# Altium PCB PCB1.PcbDoc (part 2 of 2)
Units mm, origin at the board's own origin, x right, y up, seen from the top; angles counter-clockwise.
Board outline 100 x 60 mm, 2 copper layers (Top Layer, Bottom Layer); 156 components, 92 nets, 483 pads, 40 vias.
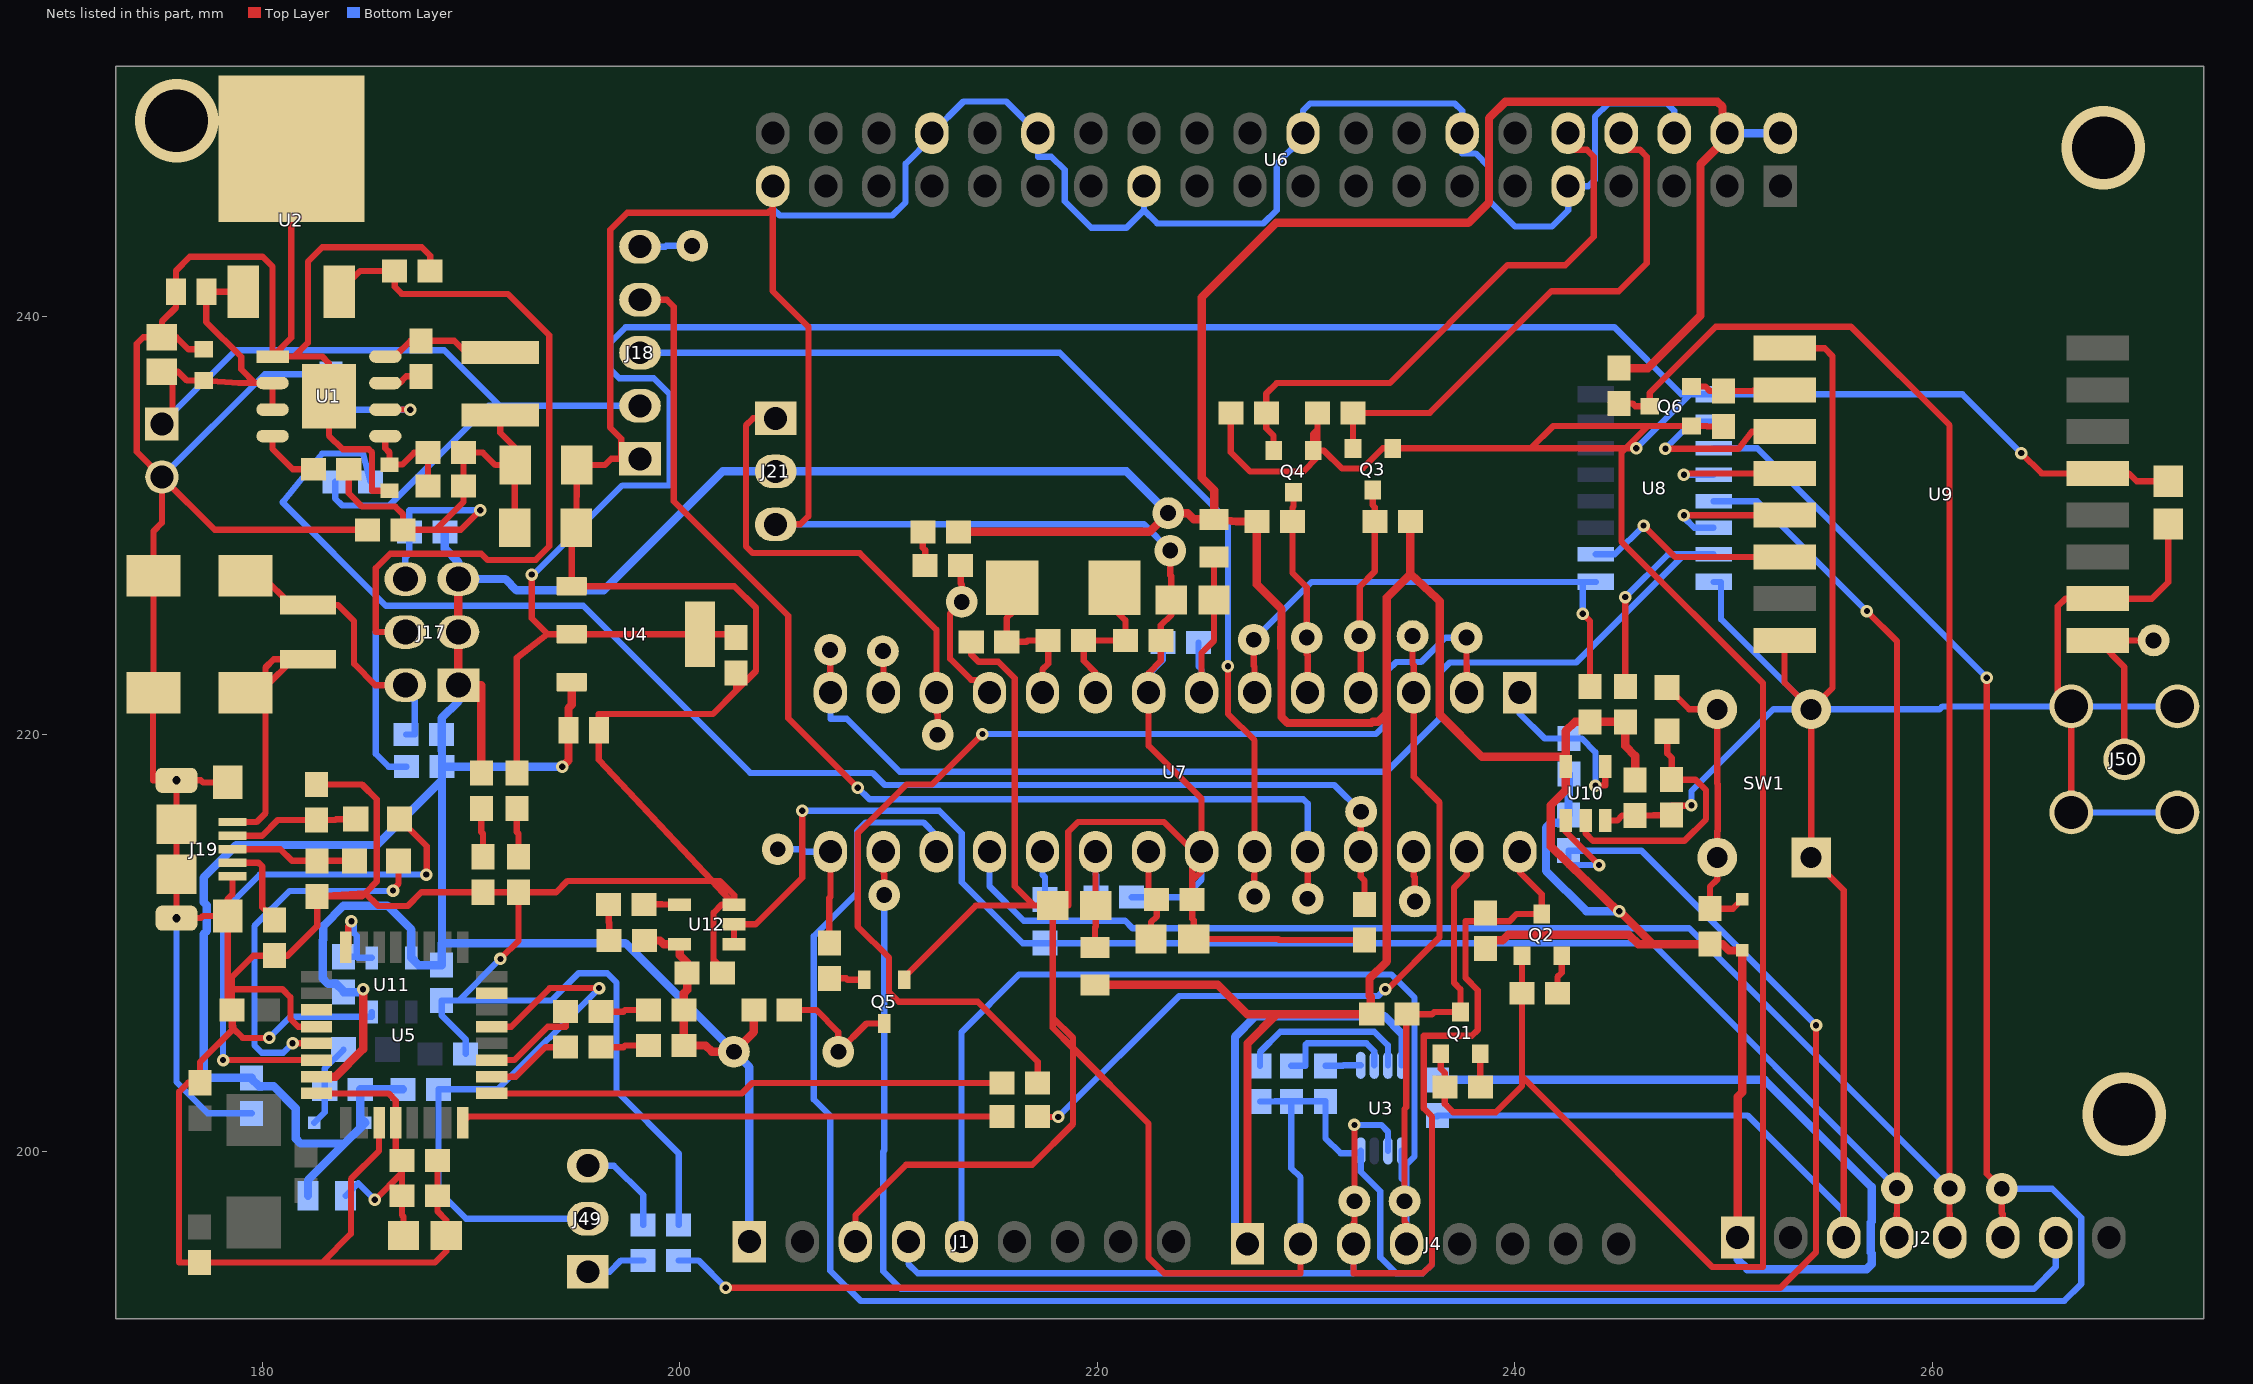
[diagram p2: the nets of this part, all layers, seen from the top]

## Via types
v1: diameter 0.6, hole 0.3, Top Layer to Bottom Layer, 37 vias
v2: diameter 4, hole 3, Top Layer to Bottom Layer, 3 vias

## Nets (pads, with @x,y where several pads share a name; then routed paths per layer and width w, separated by ;. In a path a pad name is that pad's centre, name@x,y a point inside that pad or via, vN(x,y) a via of type N, cw(c..) or ccw(c..) an arc to the next point about the centre after c; other vN are vias at no path point) (continued)
16U2_RESETn: R14.1 U5.24 U11.4 | length 4.5
  Top Layer w0.3: U5.24@184,209.8 184.121,209.921 184.121,210.808 184.278,210.965 v1(184.278,211.046)
  Bottom Layer w0.3: R14.1@183.9,209.35 184.531,209.35 ; v1(184.278,211.046) 184.405,210.919 184.405,210.48 184.531,210.354 184.531,209.35 ; U11.4@185.25,209.3 184.581,209.3 184.531,209.35
16U2_RX: R27.1 U5.8 | length 26
  Top Layer w0.3: U5.8@189.6,201.4 189.9,201.7 R27.1@215.45,201.7
16U2_RX_LED: LED1.1 U5.10 | length 4.1
  Top Layer w0.3: U5.10@191,203.6 192.151,203.6 193.569,205.018 LED1.1@194.538,205.018
16U2_SCLK_R: U5.15
16U2_TX: R25.1 U5.9 | length 24.7
  Top Layer w0.3: U5.9@191,202.8 202.971,202.8 203.471,203.3 R25.1@215.45,203.3
16U2_TX_LED: LED2.1 U5.11 | length 4.9
  Top Layer w0.3: U5.11@191,204.4 192.081,204.4 193.675,205.994 194.538,205.994 LED2.1@194.538,206.718
16U2PROG_328P_RESETn: J49.2 R21.1 U5.13 | length 28.2
  Top Layer w0.3: U5.13@191,206 191.928,206 193.777,207.848 v1(196.139,207.848)
  Bottom Layer w0.3: J49.2@195.6,196.8 189.77,196.8 188.45,198.12 R21.1@188.45,203 191.291,203 v1(196.139,207.848)
328P_16MHZ_XTAL1: C30.2 R37.1 U7.9 Y2.2 | length 7.5
  Top Layer w0.3: U7.9@219.92,222 219.92,222.961 219.35,223.531 R37.1@219.35,224.5 C30.2@221.35,224.5 221.35,225.476 220.827,225.999 Y2.2@220.827,227.024
328P_16MHZ_XTAL2: C29.2 R37.2 U7.10 Y2.1 | length 7.3
  Top Layer w0.3: Y2.1@215.927,227.024 215.927,225.838 215.666,225.577 C29.2@215.666,224.434 216.611,224.434 216.677,224.5 R37.2@217.65,224.5 217.65,223.384 217.38,223.114 U7.10@217.38,222
328P_AUTORESETn: C31.1 R44.1 U10.1 | length 86.9
  Top Layer w0.3: v1(202.209,193.497) 252.73,193.497 254.432,195.199 v1(254.432,206.07) ; U10.1@242.441,215.873 242.441,215.341 v1(244.042,213.741)
  Bottom Layer w0.3: C31.1@199.95,194.8 200.907,194.8 v1(202.209,193.497) ; v1(244.042,213.741) 242.574,213.741 R44.1@242.574,214.429 246.073,214.429 v1(254.432,206.07)
328P_BUF_RESETn: C36.2 R47.2 U10.2 | length 12.6
  Top Layer w0.3: U10.2@243.391,215.873 243.391,215.265 243.747,214.909 248.133,214.909 249.167,215.944 249.167,217.321 248.658,217.829 C36.2@247.516,217.829 247.516,218.872 247.3,219.087 R47.2@247.3,220.15
328P_RESETn: R36.1 U7.1 U10.4 | length 8.4
  Top Layer w0.3: v1(243.865,217.551) 244.341,217.551 U10.4@244.341,218.473
  Bottom Layer w0.3: U7.1@240.24,222 240.24,220.993 241.427,219.806 R36.1@242.592,219.806 243.205,219.806 243.865,219.145 v1(243.865,217.551)
+3V3: C13.1 C32.2 Q1.1 Q2.1 Q3.1 Q4.1 Q6.1 R8.2 R10.2 R16.2 R19.2 R35.2 R42.1 U4.2 U4.4 U8.1 U9.13 | length 226.5
  Top Layer w0.3: R42.1@192.2,218.15 192.2,223.671 193.675,224.8 ; v1(192.913,227.654) 192.913,225.562 193.675,224.8 ; C13.1@202.7,224.65 202.55,224.8 U4.4@200.975,224.8 U4.2@194.825,224.8 193.675,224.8 ; R19.2@226.4,235.4 226.4,233.518 227.33,232.588 229.87,232.588 230.55,233.268 Q4.1@230.55,233.6 ; R16.2@230.55,235.4 230.55,234.591 ; Q1.1@236.45,204.7 236.45,203.984 236.65,203.784 R8.2@236.65,203.1 236.65,202.3 237.046,201.905 239.09,201.905 240.35,203.164 240.35,203.591 ; Q2.1@240.35,209.4 R10.2@240.35,207.6 240.35,203.591 ; v1(245.821,233.7) 245.312,233.7 ; R35.2@250,234.75 249.217,234.75 249.199,234.768 Q6.1@248.465,234.768 246.38,234.768 ; v1(264.262,233.477) 265.238,232.5 U9.13@267.927,232.5 269.418,232.5 269.793,232.125 C32.2@271.3,232.125 ; Q4.1@230.55,233.6 230.55,234.591 ; Q4.1@230.55,233.6 Q4.1@230.35,233.6 230.35,234.391 230.55,234.591 ; Q4.1@230.55,233.6 230.861,233.6 231.72,232.74 232.715,232.74 233.675,233.7 Q3.1@234.15,233.7 240.767,233.7 ; 240.35,203.591 249.453,194.488 251.892,194.488 251.892,222.453 245.11,229.235 245.11,233.498 245.312,233.7 ; 240.767,233.7 241.835,234.768 246.38,234.768 ; 240.767,233.7 245.312,233.7 ; 245.312,233.7 246.38,234.768
  Bottom Layer w0.3: v1(192.913,227.654) 192.983,227.654 197.256,231.927 199.517,231.927 199.517,236.296 198.755,237.058 197.104,237.058 196.672,237.49 196.672,238.76 197.409,239.497 244.78,239.497 247.981,236.295 248.416,236.295 ; v1(245.821,233.7) 248.416,236.295 ; v1(264.262,233.477) 261.443,236.295 U8.1@249.525,236.295 248.416,236.295
+3V3_16U2_UCAP: U5.27
+5V: BUZZER1.1 C11.1 C12.1 C17.2 C33.1 C34.1 C35.2 D1.1 D2.1 FB1.1 FB2.1 FB3.1 J1.1 J2.1 J4.1 J17.1 J17.3 J17.5 J21.2 J54.1 R7.2 R9.2 R11.1 R12.1 R13.1 R14.2 R15.2 R18.2 R21.2 R26.2 R28.1 R30.1 R34.2 R36.2 R38.2 R39.2 R41.1 R43.2 R44.2 R45.2 R46.2 R49.1 U3.8 U4.3 U5.31 U6.2 U6.4 U10.5 U11.5 U12.5 | length 434.5
  Top Layer w0.4: U5.31@182.6,203.6 183.515,203.6 184.836,204.921 v1(184.836,207.797) ; J17.5@189.4,227.44 J17.3@189.4,224.9 J17.1@189.4,222.36 190.5,222.36 R41.1@190.5,218.15 ; v1(194.376,218.455) 194.673,218.752 C12.1@194.673,220.2 194.673,221.259 194.825,221.412 U4.3@194.825,222.5 ; R43.2@198.326,210.125 199.06,210.125 199.235,209.95 U12.5@200,209.95 200,209.426 200.359,209.067 C35.2@200.359,208.561 200.359,207.753 200.2,207.594 R30.1@200.2,206.8 R28.1@200.2,205.1 201.244,205.1 201.544,204.8 BUZZER1.1@202.6,204.8 203.55,205.75 R26.2@203.55,206.8 ; R49.1@213.35,229.7 222.5,229.7 J54.1@223.4,230.6 224.333,230.6 224.633,230.3 FB2.1@225.6,230.3 ; FB3.1@219.9,208 225.781,208 227.181,206.6 228.6,206.6 ; J4.1@227.2,195.6 227.2,205.2 228.6,206.6 ; 233.832,220.98 233.452,220.6 233.193,220.6 233.139,220.546 229.117,220.546 228.829,220.834 228.829,221.278 228.826,221.281 228.826,222.719 228.829,222.722 228.829,224.124 228.823,224.13 228.823,225.137 228.829,225.143 228.829,225.999 227.65,227.178 R18.2@227.65,230.2 226.668,230.2 FB2.1@225.6,230.3 ; 233.874,221.207 233.874,220.948 233.874,209.13 233.046,208.302 233.046,207.487 233.1,207.433 233.1,206.6 228.6,206.6 ; 233.874,221.281 233.874,222.719 233.874,226.559 235,227.685 ; R15.2@235,230.2 235,227.685 ; R9.2@238.6,210.033 238.699,210.131 239.417,210.131 239.686,210.4 245.473,210.4 245.923,209.95 246.59,209.95 ; v1@244.979,211.501 241.732,214.63 241.732,216.613 242.441,217.322 U10.5@242.441,218.473 U10.5@242.441,218.923 ; R34.2@245,237.55 245,237.541 246.38,237.541 248.9,240.061 248.9,247.31 250.18,248.59 U6.4@250.18,248.8 249.95,249.03 249.95,250.066 249.716,250.3 239.547,250.3 238.766,249.519 238.766,245.484 237.782,244.5 228.574,244.5 225,240.926 225,232.302 225.6,231.702 FB2.1@225.6,230.3 ; v1(245.008,211.531) 246.59,209.95 ; C33.1@245.769,217.82 245.769,218.973 245.3,219.442 R38.2@245.3,220.6 R39.2@243.6,220.6 242.887,220.6 242.441,220.154 U10.5@242.441,218.923 ; J2.1@250.68,195.9 250.68,202.641 250.9,202.861 D1.1@250.9,209.65 250.261,209.65 249.961,209.95 R45.2@249.35,209.95 246.59,209.95 ; 235,227.685 236.272,226.509 236.4,226.38 236.4,222.733 236.414,222.719 236.414,221.281 236.409,221.275 236.409,220.944 238.43,218.923 U10.5@242.441,218.923
  Bottom Layer w0.3: U3.8@234.575,204.15 234.575,205.683
  Bottom Layer w0.4: FB1.1@182.2,197.9 182.2,198.65 183.95,200.4 ; D2.1@184.745,201.605 D2.1@184.95,201.4 D2.1@184.7,201.15 ; v1(184.836,207.797) 184.688,207.65 R14.2@183.9,207.65 183.9,207.7 183.55,208.05 183.165,208.05 182.896,208.319 182.896,210.138 182.931,210.173 182.931,210.831 183.9,211.8 186,211.8 187.15,210.65 U11.5@187.15,209.3 187.5,208.95 C34.1@188.6,208.95 188.6,210 197.4,210 BUZZER1.1@202.6,204.8 203.34,204.06 J1.1@203.34,195.7 ; R21.2@186.75,203 R46.2@184.7,203 184.7,202 184.7,201.85 184.7,201.5 D2.1@184.7,201.15 ; 188.618,210 188.618,217.805 ; R11.1@188.75,229.7 188.75,228.894 189.4,228.244 J17.5@189.4,227.44 191.649,227.44 192.189,226.9 196.357,226.9 202.057,232.6 J21.2@204.6,232.6 221.4,232.6 J54.1@223.4,230.6 ; J17.1@189.4,222.36 189.4,221.577 188.6,220.777 R13.1@188.6,220 188.6,219.22 188.618,219.202 R12.1@188.618,218.455 ; v1(194.376,218.455) R12.1@188.618,218.455 ; J4.1@227.2,195.6 226.6,196.2 226.6,196.634 226.6,205.518 227.582,206.5 233.758,206.5 234.575,205.683 ; C11.1@236.3,203.45 251.972,203.45 257.095,198.327 257.095,196.668 257.046,196.619 257.046,195.181 257.095,195.132 257.095,194.621 256.861,194.386 251.142,194.386 250.68,194.849 J2.1@250.68,195.9 ; R36.2@242.592,218.106 242.592,217.112 242.574,217.094 242.574,216.12 242.224,215.77 241.734,215.77 241.5,215.536 241.5,213.465 243.434,211.531 v1(245.008,211.531) ; U6.4@250.18,248.8 U6.2@252.72,248.8 ; 183.95,200.4 181.844,200.4 181.61,200.634 181.61,202.09 180.55,203.15 179.85,203.15 179.5,203.5 C17.2@179.5,203.55 177.434,203.55 177.2,203.784 177.2,210.434 177.354,210.588 177.354,211.812 177.2,211.966 177.2,213.141 178.759,214.7 185.513,214.7 188.618,217.805 ; 183.95,200.4 D2.1@184.7,201.15 ; 188.618,217.805 R12.1@188.618,218.455
+5V/3V3_16U2: C14.2 C15.2 C16.2 FB1.2 U5.4 U5.32 | length 14.4
  Top Layer w0.3: U5.32@182.6,202.8 186.055,202.8 186.4,202.455 U5.4@186.4,201.4 186.4,200.077 186.4,199.9 C16.2@186.7,199.6 186.7,199 ; v1(185.395,197.714) 185.414,197.714 186.7,199 ; C14.2@186.775,196 186.775,196.901 186.7,196.976 C15.2@186.7,197.9 186.7,199
  Bottom Layer w0.3: FB1.2@184,197.9 184.604,198.504 v1(185.395,197.714)
+5V/3V3_328P_AVCC: C26.2 C27.2 FB3.2 U7.20 | length 6.8
  Top Layer w0.3: FB3.2@219.9,209.8 219.9,210.769 219.925,210.794 C26.2@219.925,211.8 219.92,211.8 U7.20@219.92,214.38
  Bottom Layer w0.3: U7.20@219.92,214.38 219.92,213.288 219.95,213.258 C27.2@219.95,212.2
+5V/3V3_328P_VCC: C23.2 C24.2 FB2.2 U7.7 | length 9.2
  Top Layer w0.3: U7.7@225,222 225,223.901 225.594,224.495 C23.2@225.594,226.444 225.594,227.457 225.6,227.463 FB2.2@225.6,228.5
  Bottom Layer w0.3: C24.2@224.85,224.4 224.85,223.264 225,223.114 U7.7@225,222
+5V_C: C19.1 J17.2 L2.2 R13.2 | length 14.3
  Top Layer w0.3: C19.1@179.2,227.6 179.984,227.6 181.384,226.2 L2.2@182.2,226.2 183.629,226.2 184.404,225.425 184.404,223.376 185.42,222.36 J17.2@186.86,222.36
  Bottom Layer w0.3: J17.2@186.86,222.36 186.86,221.71 187.314,221.71 187.314,220 R13.2@186.9,220
+5V_LDO: C9.1 J17.4 R12.2 U2.3 | length 44.7
  Top Layer w0.3: U2.3@183.7,241.2 184.7,242.2 C9.1@186.35,242.2 186.35,241.437 186.69,241.097 191.77,241.097 193.751,239.116 193.751,229.006 193.103,228.358 190.793,228.358 190.5,228.651 186.131,228.651 185.445,227.965 185.445,224.9 J17.4@186.86,224.9
  Bottom Layer w0.3: J17.4@186.86,224.9 185.445,224.9 185.445,219.065 186.055,218.455 R12.2@186.918,218.455
+5V_SR: C4.1 C5.1 C6.1 C7.1 J17.6 L1.2 R4.2 R5.2 R11.2 | length 28.5
  Top Layer w0.3: R4.2@184.15,232.7 184.15,231.546 184.785,230.911 186.373,230.911 186.75,230.534 C6.1@186.75,229.8 188.31,229.8 ; v1(190.449,230.734) 189.516,229.8 188.31,229.8 ; L1.2@191.4,235.3 191.4,234.454 192.124,233.731 C4.1@192.124,232.9 ; C5.1@192.1,229.9 192.1,232.876 C4.1@192.124,232.9 ; 188.31,229.8 189.65,231.14 R5.2@189.65,231.9 C7.1@189.65,233.5 190.576,233.5 191.176,232.9 C4.1@192.124,232.9
  Bottom Layer w0.3: J17.6@186.86,227.44 186.86,228.473 187.05,228.663 R11.2@187.05,229.7 187.05,230.734 v1(190.449,230.734)
+5V_USB: C18.1 J19.1 L2.1 | length 13.9
  Top Layer w0.3: J19.1@178.575,215.8 179.73,215.8 180.162,216.232 C18.1@180.162,222.279 ; C18.1@179.2,222 179.883,222 C18.1@180.162,222.279 ; L2.1@182.2,223.6 L2.1@181.483,223.6 ; C18.1@180.162,222.279 180.162,223.202 180.56,223.6 L2.1@181.483,223.6 ; C18.1@180.162,222.279 L2.1@181.483,223.6
+AREF: C25.2 C28.2 U7.21 | length 4.7
  Top Layer w0.3: U7.21@222.46,214.38 222.46,212.1 C28.2@222.85,212.1 222.85,211.273 222.575,210.998 C25.2@222.575,210.2
AD3: J30.1 U7.26 | length 2.4
  Top Layer w0.3: U7.26@235.16,214.38 235.16,213.211 235.215,213.157 J30.1@235.215,211.998
BAT_MEASUREMENT: J31.1 R31.1 R32.2 U7.25 | length 68.7
  Top Layer w0.3: J31.1@232.641,216.295 232.62,216.274 U7.25@232.62,214.38 232.62,213.184 232.8,213.004 R32.2@232.8,211.85
  Bottom Layer w0.3: R31.1@185.2,232.1 184.836,233.451 182.88,233.451 180.975,231.115 185.928,226.162 195.377,226.162 203.385,218.153 209.238,218.153 209.815,217.576 231.36,217.576 J31.1@232.641,216.295
BUTTON_RESETn: D1.2 R45.1 R47.1 SW1.3 SW1.4 | length 14.3
  Top Layer w0.3: R47.1@247.3,222.25 248.35,221.2 SW1.4@249.7,221.2 249.7,217.648 249.721,217.627 249.721,215.38 249.7,215.359 SW1.3@249.7,214.1 249.7,213.05 249.35,212.7 R45.1@249.35,211.65 250.45,211.65 D1.2@250.9,212.1
BUZZER_PWM: J26.1 R29.1 U7.15 | length 7
  Top Layer w0.3: R29.1@207.167,210.013 207.167,212.166 207.22,212.219 U7.15@207.22,214.38
  Bottom Layer w0.3: J26.1@204.7,214.5 205.892,214.5 206.012,214.38 U7.15@207.22,214.38
CON_USB_N: J19.2 R20.1 Z2.2 | length 6.2
  Top Layer w0.3: J19.2@178.575,215.15 179.996,215.15 180.746,215.9 Z2.2@182.6,215.9 183.515,215.9 183.556,215.941 R20.1@184.485,215.941
CON_USB_P: J19.3 R22.1 Z1.2 | length 6.1
  Top Layer w0.3: J19.3@178.575,214.5 180.873,214.5 181.432,213.941 Z1.2@182.635,213.941 R22.1@184.435,213.941
GND: C2.2 C3.2 C4.2 C5.2 C6.2 C8.2 C9.2 C10.1 C11.2 C12.2 C13.2 C14.1 C15.1 C16.1 C17.1 C18.2 C19.2 C20.1 C21.1 C22.1 C23.1 C24.1 C25.1 C26.1 C27.1 C28.1 C29.1 C30.1 C32.1 C33.2 C34.2 C35.1 C36.1 C37.1 J1.3 J2.3 J4.2 J18.1 J19.5 J19.6 J19.7 J19.8 J19.9 J19.10 J19.11 J21.3 J50.2 J50.3 J50.4 J50.5 J53.1 LED3.1 LED4.1 P1.2 Q5.1 R1.2 R2.2 R3.1 R6.1 R24.2 R32.1 R40.1 SW1.1 SW1.2 U1.1 U1.9 U2.2 U3.4 U4.1 U5.3 U5.28 U6.6 U6.9 U6.14 U6.20 U6.25 U6.30 U6.34 U6.39 U7.8 U7.22 U8.8 U9.1 U9.8 U9.10 U10.3 U11.3 U12.3 Z1.1 Z2.1 | length 703.1
  Top Layer w0.3: C3.2@177.2,238.45 176.471,238.45 175.895,239.026 C2.2@175.2,239.026 ; J19.6@178.35,217.7 177.163,217.7 177.063,217.8 J19.8@175.9,217.8 ; J19.5@178.575,213.2 178.575,212.34 178.35,212.115 J19.7@178.35,211.3 ; v1(180.34,205.461) 179.07,205.461 178.63,205.901 ; U2.2@181.4,248.05 181.4,239 U1.1@180.5,238.1 ; U5.28@182.6,206 181.731,206 181.356,206.375 181.356,207.416 180.975,207.797 178.55,207.797 ; Z2.1@182.6,217.6 184.785,217.6 185.496,216.889 185.496,212.952 184.944,212.4 ; C6.2@185.05,229.8 177.73,229.8 P1.2@175.2,232.33 ; U5.3@185.6,201.4 185.6,200.053 184.252,198.704 184.252,196.072 182.88,194.7 ; R6.1@186.1,231.675 185.268,231.675 185.268,233.502 185.115,233.655 183.86,233.655 183.2,234.315 U1.9@183.2,236.2 183.2,237.78 182.88,238.1 181.534,238.1 ; C9.2@188.05,242.2 188.05,242.924 187.642,243.332 182.88,243.332 182.194,242.646 182.194,238.76 181.534,238.1 ; C16.1@188.4,199.6 C15.1@188.4,197.9 188.4,197.148 188.825,196.723 C14.1@188.825,196 188.825,195.248 188.278,194.7 182.88,194.7 ; v1(191.414,209.245) 192.282,210.113 LED4.1@192.282,212.438 ; J18.1@198.1,233.2 J18.1@197.206,233.2 ; C35.1@202.059,208.561 202.059,208.763 201.625,209.196 201.625,211.455 202.02,211.85 U12.3@202.6,211.85 ; C13.2@202.7,222.95 202.7,222.08 ; U6.39@204.46,246.26 204.46,245.212 ; J21.3@204.6,230.06 205.775,230.06 206.166,230.451 206.166,239.528 204.46,241.234 204.46,245.212 ; J1.3@208.42,195.7 208.42,196.965 210.845,199.39 216.891,199.39 218.839,201.339 218.839,204.979 ; Q5.1@210.75,208.25 210.75,208.362 214.188,211.8 216.977,211.8 ; C29.1@213.966,224.434 213.966,223.826 214.312,223.48 215.265,223.48 216.052,222.692 216.052,212.725 216.977,211.8 ; J53.1@223.5,228.8 223.5,227.628 223.544,227.584 C23.1@223.544,226.444 223.544,225.716 223.05,225.222 C30.1@223.05,224.5 223.05,223.526 222.46,222.936 U7.8@222.46,222 222.46,219.456 225,216.916 U7.22@225,214.38 225,213.454 224.55,213.004 ; J4.2@229.74,195.6 229.74,194.183 223.215,194.183 222.453,194.945 222.453,201.365 218.839,204.979 ; R32.1@232.8,210.15 228.726,210.15 228.676,210.2 C25.1@224.625,210.2 224.625,211.099 224.55,211.174 C28.1@224.55,212.1 224.55,213.004 ; U10.3@244.341,215.873 244.907,215.873 245.154,216.12 C33.2@245.769,216.12 246.634,216.12 246.643,216.129 C36.1@247.516,216.129 247.516,216.586 248.437,216.586 v1(248.463,216.611) ; U9.8@252.927,224.5 252.927,222.473 SW1.2@254.2,221.2 ; U9.1@252.927,238.5 254.844,238.5 255.219,238.125 255.219,222.219 SW1.2@254.2,221.2 ; J2.3@255.76,195.9 255.76,212.54 SW1.1@254.2,214.1 SW1.2@254.2,221.2 ; J50.3@266.66,216.26 J50.2@266.66,221.34 266.014,221.986 266.014,226.132 266.382,226.5 U9.10@267.927,226.5 270.51,226.5 271.3,227.29 C32.1@271.3,230.075 ; P1.2@175.2,232.33 175.2,230.143 174.8,229.743 C19.2@174.8,227.6 C18.2@174.8,222 174.777,222 174.777,217.8 J19.8@175.9,217.8 ; P1.2@175.2,232.33 173.99,233.54 173.99,238.708 174.308,239.026 C2.2@175.2,239.026 ; C2.2@175.2,239.026 175.2,239.776 175.873,240.449 C8.2@175.873,241.2 175.873,242.218 176.53,242.875 180.022,242.875 180.5,242.397 U1.1@180.5,238.1 ; J19.8@175.9,217.8 J19.10@175.9,215.7 J19.11@175.9,213.3 J19.9@175.9,211.2 177.063,211.2 177.163,211.3 J19.7@178.35,211.3 ; J19.7@178.35,211.3 178.35,206.8 C20.1@178.55,206.8 ; C20.1@178.55,206.8 178.55,205.981 178.63,205.901 ; C20.1@178.55,206.8 178.55,207.797 ; C20.1@178.55,206.8 178.63,205.901 ; 178.55,207.797 178.55,208.372 179.578,209.4 R24.2@180.6,209.4 181.215,209.4 182.635,210.82 Z1.1@182.635,212.241 ; 178.63,205.901 177.021,204.292 C21.1@177.021,203.313 176.453,203.313 176.022,202.882 176.022,194.7 C22.1@177,194.7 182.88,194.7 ; U1.1@180.5,238.1 181.534,238.1 ; Z1.1@182.635,212.241 184.785,212.241 184.944,212.4 ; Z1.1@182.635,212.241 184.944,212.4 ; 184.944,212.4 185.564,211.78 186.972,211.78 187.631,212.438 LED3.1@190.582,212.438 LED4.1@192.282,212.438 ; LED4.1@192.282,212.438 194.081,212.438 194.622,212.979 201.546,212.979 ; J18.1@197.206,233.2 196.718,233.2 196.418,232.9 C4.2@195.076,232.9 195.076,231.392 195.053,231.369 C5.2@195.053,229.9 194.825,229.672 U4.1@194.825,227.1 202.617,227.1 203.657,226.06 203.657,223.037 202.7,222.08 ; J18.1@197.206,233.2 197.206,234.163 196.672,234.696 196.672,244.17 197.485,244.983 204.231,244.983 204.46,245.212 ; 201.546,212.979 201.93,212.979 202.616,212.293 202.616,211.85 U12.3@202.6,211.85 ; 201.546,212.979 U12.3@202.6,211.85 ; 201.546,212.979 196.127,218.782 C12.2@196.127,220.2 196.127,220.98 201.6,220.98 202.7,222.08 ; 216.977,211.8 C26.1@217.875,211.8 ; 217.875,206.432 218.839,205.468 218.839,204.979 ; 217.875,206.432 C26.1@217.875,211.8 ; 217.875,206.432 217.875,205.943 218.839,204.979 ; C26.1@217.875,211.8 218.618,211.8 218.618,215.341 219.075,215.798 223.202,215.798 224.55,214.451 224.55,213.004
  Bottom Layer w0.3: P1.2@175.2,232.33 180.12,237.25 C10.1@183.3,237.25 ; J19.9@175.9,211.2 175.895,211.2 175.895,203.352 177.397,201.85 C17.1@179.5,201.85 ; v1(180.34,205.461) 181.356,206.477 185.25,206.477 U11.3@185.25,206.7 ; C37.1@189.75,204.7 189.75,205.384 188.6,206.534 C34.2@188.6,207.25 189.419,207.25 ; v1(191.414,209.245) 189.419,207.25 ; R40.1@199.95,196.5 199.95,199.923 196.977,202.896 196.977,208.108 196.532,208.552 195.153,208.552 193.851,207.25 189.419,207.25 ; U6.39@204.46,246.26 204.46,245.184 204.787,244.856 210.185,244.856 210.82,245.491 210.82,247.33 212.08,248.59 U6.34@212.08,248.8 213.597,250.317 215.643,250.317 U6.30@217.16,248.8 217.16,247.675 217.805,247.675 218.44,247.04 218.44,245.542 219.71,244.272 221.402,244.272 222.24,245.11 ; J21.3@204.6,230.06 222.24,230.06 J53.1@223.5,228.8 ; C27.1@221.65,212.2 224.155,212.2 225,213.045 U7.22@225,214.38 ; U6.25@222.24,246.26 222.24,245.11 ; U7.8@222.46,222 222.46,222.881 223.15,223.571 C24.1@223.15,224.4 ; R1.2@227.8,202.415 228.524,202.415 228.534,202.426 R2.2@229.301,202.426 ; J4.2@229.74,195.6 229.74,198.78 229.301,199.219 R2.2@229.301,202.426 ; U3.4@232.625,200.05 U3.4@232.625,199.933 ; U6.9@242.56,246.26 U6.9@242.56,246.253 ; U6.6@247.64,248.8 247.64,249.873 247.297,250.215 244.475,250.215 243.84,249.58 243.84,246.57 243.522,246.253 U6.9@242.56,246.253 ; v1(248.463,216.611) 248.463,217.272 252.391,221.2 SW1.2@254.2,221.2 ; U8.8@249.525,227.305 249.885,227.305 249.885,225.515 SW1.2@254.2,221.2 ; J2.3@255.76,195.9 255.726,195.934 255.726,197.174 251.15,201.75 C11.2@236.3,201.75 236.3,201.701 236.042,201.701 236.042,194.627 235.598,194.183 234.315,194.183 233.553,194.945 233.553,198.12 232.625,199.048 U3.4@232.625,199.933 ; J50.3@266.66,216.26 J50.4@271.74,216.26 ; J50.5@271.74,221.34 J50.2@266.66,221.34 260.49,221.34 260.35,221.2 SW1.2@254.2,221.2 ; 222.24,245.11 222.875,244.475 227.965,244.475 228.6,245.11 228.6,247.33 229.86,248.59 U6.20@229.86,248.8 229.86,249.888 230.188,250.215 237.137,250.215 237.48,249.873 U6.14@237.48,248.8 237.48,247.828 238.125,247.828 238.76,247.193 238.76,245.593 240.03,244.323 241.773,244.323 242.56,245.11 U6.9@242.56,246.253 ; R2.2@229.301,202.426 R3.1@230.931,202.426 230.931,200.66 231.658,199.933 U3.4@232.625,199.933
  other v2: 269.2,201.8 268.2,248.1 175.9,249.4
IO7: J34.1 U7.13 | length 2
  Top Layer w0.3: J34.1@209.736,223.987 209.76,223.963 U7.13@209.76,222
LED_OUT: J37.1 LED6.1 U7.11 | length 7.6
  Top Layer w0.3: LED6.1@213.462,228.082 213.462,227.226 213.51,227.178 J37.1@213.51,226.348 212.954,225.792 212.954,223.622 213.965,222.61 214.84,222.61 U7.11@214.84,222
MISO: J2.5 J23.1 Q6.3 R34.1 U7.18 | length 112.3
  Top Layer w0.3: R34.1@245,235.85 245.643,235.85 245.775,235.718 Q6.3@246.465,235.718 246.465,236.356 249.631,239.522 256.108,239.522 260.831,234.8 J23.1@260.831,198.24 260.831,197.063 260.84,197.053 J2.5@260.84,195.9
  Bottom Layer w0.3: U7.18@214.84,214.38 214.84,212.718 216.484,211.074 221.336,211.074 221.691,210.718 248.353,210.718 J23.1@260.831,198.24
MISO_3V3: Q6.2 R35.1 U9.2 | length 4.6
  Top Layer w0.3: Q6.2@248.465,236.668 249.123,236.668 249.341,236.45 R35.1@250,236.45 251.435,236.45 251.485,236.5 U9.2@252.927,236.5
MOSI: J2.6 J24.1 U7.17 U8.3 | length 140.4
  Top Layer w0.3: v1(262.611,222.707) 262.611,198.954 J24.1@263.328,198.237 263.328,197.08 263.38,197.028 J2.6@263.38,195.9
  Bottom Layer w0.3: U7.17@212.3,214.38 212.3,215.163 211.679,215.784 208.915,215.784 208.509,215.378 208.509,212.42 206.426,210.337 206.426,202.514 207.213,201.727 207.213,194.31 208.661,192.862 266.319,192.862 267.132,193.675 267.132,196.85 265.745,198.237 J24.1@263.328,198.237 ; U8.3@249.525,233.705 251.612,233.705 v1(262.611,222.707)
MOSI_3V3: U8.2 U9.3 | length 9
  Top Layer w0.3: v1(247.218,233.68) 250.723,233.68 251.358,234.5 U9.3@252.927,234.5
  Bottom Layer w0.3: v1(247.218,233.68) 248.513,234.975 U8.2@249.525,234.975
NetBUZZER1_2: BUZZER1.2 Q5.3 R26.1 | length 6.5
  Top Layer w0.3: R26.1@205.25,206.8 206.54,206.8 207.6,205.74 BUZZER1.2@207.6,204.8 208.95,206.15 Q5.3@209.8,206.15
NetC1_1: C1.1 L1.1 U1.8 | length 6
  Top Layer w0.3: U1.8@185.9,238.1 186.36,238.1 187.11,238.85 C1.1@187.6,238.85 189.205,238.85 189.755,238.3 L1.1@191.4,238.3
NetC1_2: C1.2 U1.7 | length 1.8
  Top Layer w0.3: U1.7@185.9,236.83 186.588,236.83 186.908,237.15 C1.2@187.6,237.15
NetC7_2: C7.2 R5.1 R6.2 U1.5 | length 5.1
  Top Layer w0.3: U1.5@185.9,234.29 185.9,233.702 186.1,233.502 R6.2@186.1,232.925 186.715,232.925 187.29,233.5 C7.2@187.95,233.5 R5.1@187.95,231.9
NetC10_2: C10.2 U1.6 | length 5
  Top Layer w0.3: U1.6@185.9,235.56 187.086,235.56 v1(187.096,235.55)
  Bottom Layer w0.3: C10.2@183.3,235.55 v1(187.096,235.55)
NetC31_2: C31.2 J49.1 | length 2.9
  Bottom Layer w0.3: J49.1@195.6,194.26 196.647,194.26 197.187,194.8 C31.2@198.25,194.8
NetD2_2: D2.2 R46.1 R48.1 | length 4.1
  Bottom Layer w0.3: D2.2@182.5,201.4 183,201.9 R46.1@183,203 183,204 R48.1@183.9,204.9
NetJ18_5: J18.5 J20.1 | length 2.5
  Bottom Layer w0.3: J18.5@198.1,243.36 199.314,243.36 199.354,243.4 J20.1@200.6,243.4
NetJ19_4: J19.4 R24.1 | length 4.3
  Top Layer w0.3: J19.4@178.575,213.85 179.824,213.85 180,213.674 180,211.726 180.176,211.55 180.2,211.55 180.6,211.15 R24.1@180.6,211.1
NetJ48_1: J48.1 J50.1 U9.9 | length 8.9
  Top Layer w0.3: J50.1@269.2,218.8 269.2,223.227 U9.9@267.927,224.5 J48.1@270.6,224.5
NetJ49_3: J49.3 R40.2 | length 4.7
  Bottom Layer w0.3: J49.3@195.6,199.34 196.85,199.34 198.25,197.94 R40.2@198.25,196.5
NetLED1_2: LED1.2 R28.2 | length 2.3
  Top Layer w0.3: LED1.2@196.238,205.018 197.307,205.018 197.389,205.1 R28.2@198.5,205.1
NetLED2_2: LED2.2 R30.2 | length 2.3
  Top Layer w0.3: LED2.2@196.238,206.718 197.307,206.718 197.389,206.8 R30.2@198.5,206.8
NetLED3_2: LED3.2 R41.2 | length 2.3
  Top Layer w0.3: R41.2@190.5,216.45 190.5,215.322 190.582,215.24 LED3.2@190.582,214.138
NetLED4_2: LED4.2 R42.2 | length 2.3
  Top Layer w0.3: R42.2@192.2,216.45 192.2,215.322 192.282,215.24 LED4.2@192.282,214.138
NetLED5_1: LED5.1 U12.4 | length 1.7
  Top Layer w0.3: LED5.1@198.302,211.862 199.136,211.862 199.148,211.85 U12.4@200,211.85
NetLED5_2: LED5.2 R43.1 | length 1.7
  Top Layer w0.3: LED5.2@196.602,211.862 196.602,210.997 196.626,210.972 R43.1@196.626,210.125
NetLED6_2: LED6.2 R49.2 | length 1.7
  Top Layer w0.3: R49.2@211.65,229.7 211.65,228.94 211.762,228.829 LED6.2@211.762,228.082
NetQ5_2: Q5.2 R29.2 | length 1.7
  Top Layer w0.3: R29.2@207.167,208.313 207.975,208.313 208.039,208.25 Q5.2@208.85,208.25
NetR1_1: R1.1 U3.7 | length 8.4
  Bottom Layer w0.3: R1.1@227.8,204.115 227.8,204.787 228.77,205.758 233.272,205.758 233.925,205.105 U3.7@233.925,204.15
NetR2_1: R2.1 U3.6 | length 5.8
  Bottom Layer w0.3: R2.1@229.301,204.126 229.977,204.126 229.977,205.13 230.051,205.204 232.897,205.204 233.275,204.826 U3.6@233.275,204.15
NetR3_2: R3.2 U3.5 | length 1.7
  Bottom Layer w0.3: R3.2@230.931,204.126 231.774,204.126 231.798,204.15 U3.5@232.625,204.15
NetR4_1: R4.1 U1.4 | length 3
  Top Layer w0.3: U1.4@180.5,234.29 180.492,234.29 180.492,233.68 181.472,232.7 R4.1@182.45,232.7
PRESSURE_CS: J2.7 J25.1 U7.16 | length 78.5
  Top Layer w0.3: U7.16@209.76,214.38 209.76,213.349 209.8,213.309 J25.1@209.8,212.3
  Bottom Layer w0.3: J25.1@209.8,212.3 209.8,200.072 209.753,200.025 209.753,194.285 210.591,193.446 264.879,193.446 265.92,194.488 J2.7@265.92,195.9
RF_CS: J27.1 R38.1 U7.14 U8.7 | length 60.2
  Top Layer w0.3: J27.1@207.207,224.048 207.207,223.025 207.22,223.012 U7.14@207.22,222 ; R38.1@245.3,222.3 v1(245.3,226.58)
  Bottom Layer w0.3: U7.14@207.22,222 207.22,220.751 208.001,220.751 210.541,218.211 233.858,218.211 236.372,220.726 236.372,222.936 236.88,223.444 242.951,223.444 248.133,228.625 ; v1(245.3,226.58) 247.345,228.625 248.133,228.625 ; U8.7@249.525,228.625 248.133,228.625
RF_CS_3V3: U8.6 U9.5 | length 6.6
  Top Layer w0.3: v1(248.107,230.5) U9.5@252.927,230.5
  Bottom Layer w0.3: v1(248.107,230.5) 248.107,230.39 248.602,229.895 U8.6@249.525,229.895
RF_RST: J39.1 R39.1 U7.6 U8.9 | length 25.2
  Top Layer w0.3: J39.1@227.498,224.532 227.498,223.283 227.54,223.241 U7.6@227.54,222 ; v1(243.256,225.781) 243.6,225.436 R39.1@243.6,222.3
  Bottom Layer w0.3: J39.1@227.498,224.532 230.271,227.305 U8.9@243.256,227.305 ; v1(243.256,225.781) U8.9@243.256,227.305 ; U8.9@243.875,227.305 U8.9@243.256,227.305
RF_RST_3V3: U8.10 U9.6 | length 10.2
  Top Layer w0.3: v1(246.171,230.003) 247.674,228.5 U9.6@252.927,228.5
  Bottom Layer w0.3: U8.10@243.875,228.625 244.792,228.625 v1(246.171,230.003)
RX: J52.1 R25.2 U7.2 | length 54.9
  Top Layer w0.3: v1(214.503,220.015) 212.09,217.602 210.871,217.602 208.534,215.265 208.534,210.795 210.033,209.296 210.033,207.645 210.49,207.188 214.28,207.188 217.15,204.318 R25.2@217.15,203.3 ; J52.1@237.695,224.634 237.695,223.296 237.7,223.291 U7.2@237.7,222
  Bottom Layer w0.3: v1(214.503,220.015) 233.35,220.015 233.909,220.574 233.909,223.063 234.315,223.469 235.515,223.469 236.679,224.634 J52.1@237.695,224.634
RX2_3V3: Q4.2 R19.1 U6.10 | length 27.7
  Top Layer w0.3: Q4.2@228.45,233.6 228.45,234.315 228.1,234.665 R19.1@228.1,235.4 228.1,236.33 228.6,236.83 234.01,236.83 239.649,242.468 242.418,242.468 243.789,243.84 243.789,247.675 243.459,248.006 242.56,248.006 U6.10@242.56,248.8
RX2_5V: J43.1 Q3.3 R15.1 U7.4 | length 10.2
  Top Layer w0.3: U7.4@232.62,222 232.62,224.096 232.509,224.096 232.509,224.103 232.573,224.103 J43.1@232.573,224.708 232.573,227.076 233.3,227.803 R15.1@233.3,230.2 233.3,230.886 233.2,230.986 Q3.3@233.2,231.7
SCL: J1.4 J4.3 J28.1 Q2.3 R9.1 U3.2 U7.28 | length 64.2
  Top Layer w0.3: v1(232.319,201.295) J28.1@232.319,197.637 232.319,196.635 232.28,196.596 J4.3@232.28,195.6 232.28,194.183 235.598,194.183 236.042,194.627 236.042,201.676 235.636,202.082 235.636,205.562 237.947,205.562 238.227,205.842 238.227,207.75 237.646,208.331 237.646,211.05 238.6,211.05 239.751,211.05 240.101,211.4 Q2.3@241.3,211.4 241.3,212.344 240.24,213.404 U7.28@240.24,214.38
  Bottom Layer w0.3: J1.4@210.96,195.7 210.96,194.627 211.405,194.183 232.28,194.183 J4.3@232.28,195.6 ; v1(232.319,201.295) 233.608,201.295 233.925,200.977 U3.2@233.925,200.05
SCL_3V: Q2.2 R10.1 | length 1.9
  Top Layer w0.3: R10.1@242.05,207.6 242.05,208.382 242.25,208.582 Q2.2@242.25,209.4
SCLK: J2.4 J22.1 R33.2 U8.5 U12.1 U12.2 | length 109.8
  Top Layer w0.3: U12.1@202.6,209.95 U12.2@202.6,210.9 203.636,210.9 205.867,213.131 v1(205.867,216.338) ; v1(256.87,225.907) 258.311,224.466 J22.1@258.311,198.266 258.311,197.064 258.3,197.053 J2.4@258.3,195.9
  Bottom Layer w0.3: v1(205.867,216.338) 212.439,216.338 213.512,215.265 213.512,212.922 216.434,210 R33.2@217.5,210 246.578,210 J22.1@258.311,198.266 ; U8.5@249.525,231.165 251.612,231.165 v1(256.87,225.907)
SCLK_3V3: U8.4 U9.4 | length 6.3
  Top Layer w0.3: v1(248.107,232.435) 248.172,232.5 U9.4@252.927,232.5
  Bottom Layer w0.3: v1(248.107,232.435) U8.4@249.525,232.435
SCLK_R: R33.1 U7.19 | length 2.3
  Bottom Layer w0.3: U7.19@217.38,214.38 217.38,213.277 217.5,213.157 R33.1@217.5,212.1
SDA: J1.5 J4.4 J29.1 Q1.3 R7.1 U3.1 U7.27 | length 69.5
  Top Layer w0.3: J4.4@234.82,195.6 234.82,196.545 234.722,196.643 J29.1@234.722,197.636 234.722,202.057 234.8,202.135 234.8,206.6 236.042,206.6 236.142,206.7 Q1.3@237.4,206.7 237.4,207.792 237.092,208.1 237.092,212.657 237.7,213.265 U7.27@237.7,214.38
  Bottom Layer w0.3: J1.5@213.5,195.7 213.5,205.74 216.264,208.504 234.091,208.504 235.204,207.391 235.204,199.793 234.82,199.409 J4.4@234.82,195.6 ; U3.1@234.575,200.05 234.575,198.744 234.722,198.598 J29.1@234.722,197.636
SDA_3V: Q1.2 R8.1 | length 1.6
  Top Layer w0.3: R8.1@238.35,203.1 Q1.2@238.35,204.7
SERVO_PWM: J21.1 J35.1 U7.12 | length 23.2
  Top Layer w0.3: J21.1@204.6,235.14 203.517,235.14 203.175,234.797 203.175,229.006 203.497,228.684 208.634,228.684 212.3,225.019 U7.12@212.3,222 212.3,221.013 212.359,220.955 J35.1@212.359,219.982
TMP_OUT: J18.4 J32.1 U7.24 | length 54.9
  Top Layer w0.3: J18.4@198.1,240.82 199.39,240.82 199.72,240.49 199.72,231.165 205.207,225.679 205.207,220.777 v1(208.534,217.449) ; U7.24@230.08,214.38 230.08,213.235 230.082,213.233 J32.1@230.082,212.126
  Bottom Layer w0.3: v1(208.534,217.449) 209.091,216.892 229.875,216.892 230.08,216.687 U7.24@230.08,214.38
TX: J51.1 R27.2 U7.3 | length 37.8
  Top Layer w0.3: R27.2@217.15,201.7 217.15,201.676 v1(218.135,201.676) ; v1(233.8,207.8) 233.911,207.8 236.398,210.287 236.398,216.738 235.16,217.976 U7.3@235.16,222 235.16,223.317 235.105,223.372 J51.1@235.105,224.708
  Bottom Layer w0.3: v1(218.135,201.676) 223.926,207.467 233.467,207.467 v1(233.8,207.8)
TX2_3V3: Q3.2 R16.1 U6.8 | length 26
  Top Layer w0.3: Q3.2@232.25,233.7 R16.1@232.25,235.4 235.933,235.4 241.757,241.224 244.983,241.224 246.329,242.57 246.329,247.675 245.999,248.006 245.1,248.006 U6.8@245.1,248.8
TX2_5V: J41.1 Q4.3 R18.1 U7.5 | length 9.9
  Top Layer w0.3: Q4.3@229.4,231.6 229.4,230.911 229.35,230.861 R18.1@229.35,230.2 229.35,227.739 230.039,227.051 J41.1@230.039,224.634 230.039,223.841 230.08,223.799 U7.5@230.08,222
USB_N: R20.2 U5.30 | length 25.3
  Top Layer w0.3: v1(178.13,204.4) U5.30@182.6,204.4 ; R20.2@186.585,215.941 187.884,214.642 187.884,213.304 v1(187.864,213.284)
  Bottom Layer w0.3: v1(178.13,204.4) 178.13,211.531 179.883,213.284 v1(187.864,213.284)
USB_P: R22.2 U5.29 | length 17.9
  Top Layer w0.3: v1(181.458,205.2) U5.29@182.6,205.2 ; v1(186.269,212.522) 186.269,212.59 186.535,212.856 R22.2@186.535,213.941
  Bottom Layer w0.3: v1(181.458,205.2) 181.007,204.749 179.984,204.749 179.629,205.105 179.629,210.82 181.305,212.496 186.244,212.496 v1(186.269,212.522)
VBAT: C2.1 C3.1 C8.1 J18.2 P1.1 R31.2 U1.2 U1.3 U2.1 | length 52.8
  Top Layer w0.3: P1.1@175.2,234.87 175.704,235.374 C2.1@175.704,237.374 ; C2.1@175.2,237.374 C2.1@175.704,237.374 ; U2.1@179.1,241.2 C8.1@177.327,241.2 177.327,239.751 178.994,238.084 178.994,237.49 179.654,236.83 ; U1.3@180.5,235.56 U1.2@180.5,236.83 179.654,236.83 ; C2.1@175.704,237.374 175.971,237.374 176.395,236.95 C3.1@177.2,236.95 178.885,236.83 179.654,236.83
  Bottom Layer w0.3: P1.1@175.2,234.87 178.734,238.404 188.722,238.404 191.386,235.74 ; R31.2@183.5,232.1 183.5,231.295 183.832,230.962 186.08,230.962 190.858,235.74 191.386,235.74 ; J18.2@198.1,235.74 191.386,235.74
WIND_OUT: J18.3 J33.1 U7.23 | length 50
  Top Layer w0.3: v1(226.263,223.266) 226.263,220.987 227.54,219.71 U7.23@227.54,214.38 227.54,213.298 227.526,213.284 J33.1@227.526,212.235
  Bottom Layer w0.3: J18.3@198.1,238.28 218.209,238.28 226.263,230.226 v1(226.263,223.266)
pads on no net: C20.2 J1.2 J1.6 J1.7 J1.8 J1.9 J2.2 J2.8 J4.5 J4.6 J4.7 J4.8 U3.3 U5.5 U5.6 U5.7 U5.12 U5.14 U5.22 U5.23 U5.25 U5.26 U6.1 U6.3 U6.5 U6.7 U6.11 U6.12 U6.13 U6.15 U6.16 U6.17 U6.18 U6.19 U6.21 U6.22 U6.23 U6.24 U6.26 U6.27 U6.28 U6.29 U6.31 U6.32 U6.33 U6.35 U6.36 U6.37 U6.38 U6.40 U8.11 U8.12 U8.13 U8.14 U8.15 U8.16 U9.7 U9.11 U9.12 U9.14 U9.15 U9.16

## Polygon pours and split planes (outlines as drawn)
GND on Bottom Layer "GND_L02_P002" (solid, pour order 2): 173,252 173,192 273,192 273,252
GND on Top Layer "GND_L01_P001" (solid, remove dead copper, pour order 1): 173,192 173,192.1 173.068,252 273,252 273,192